# Altium PCB X-Track_lqfp.PcbDoc
Units mm, origin at the board's own origin, x right, y up, seen from the top; angles counter-clockwise.
Board outline 32.26 x 36.83 mm, 2 copper layers (Top Layer, Bottom Layer); 71 components, 50 nets, 271 pads, 69 vias.
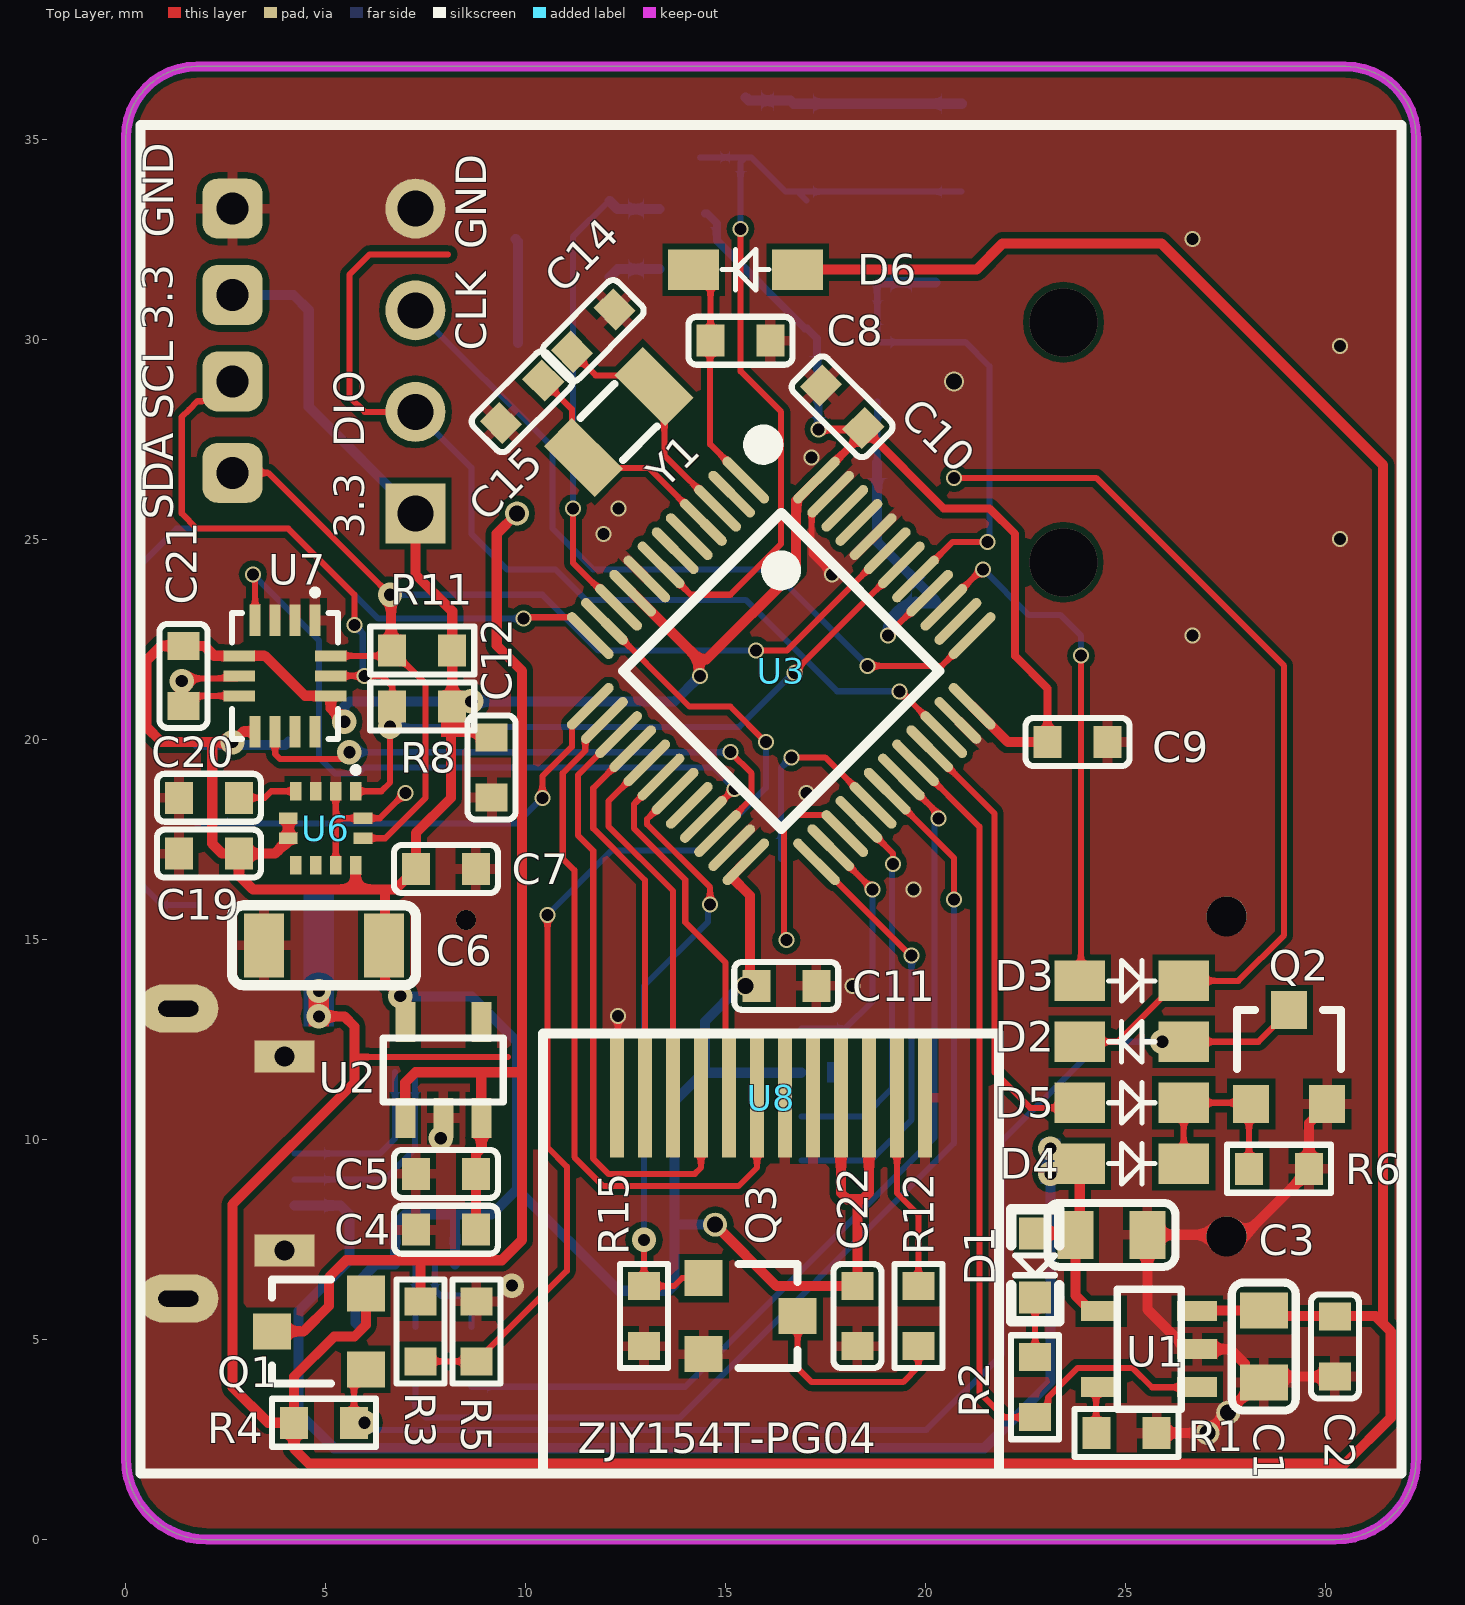
[diagram p0: Top Layer view]
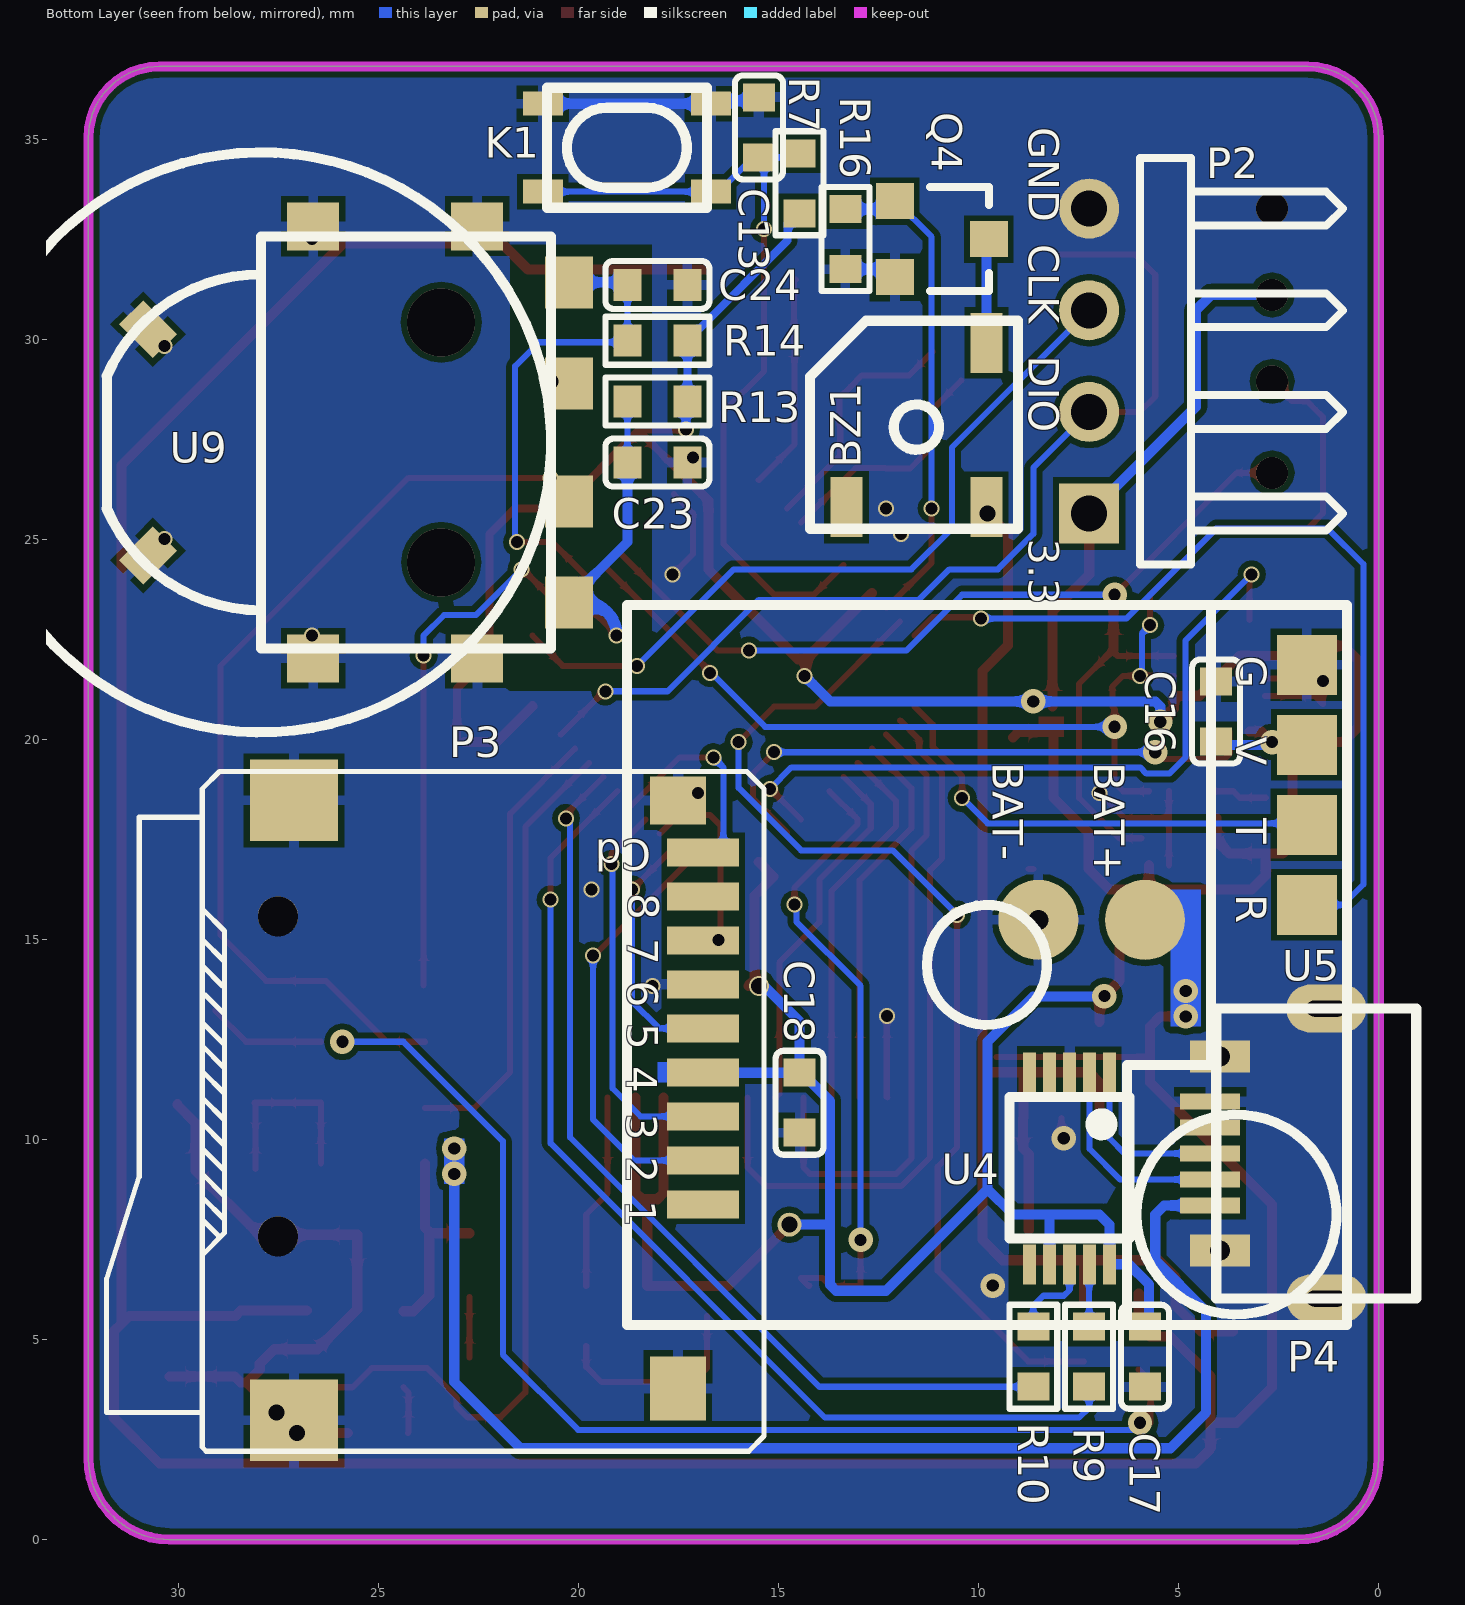
[diagram p1: Bottom Layer view, seen from below]
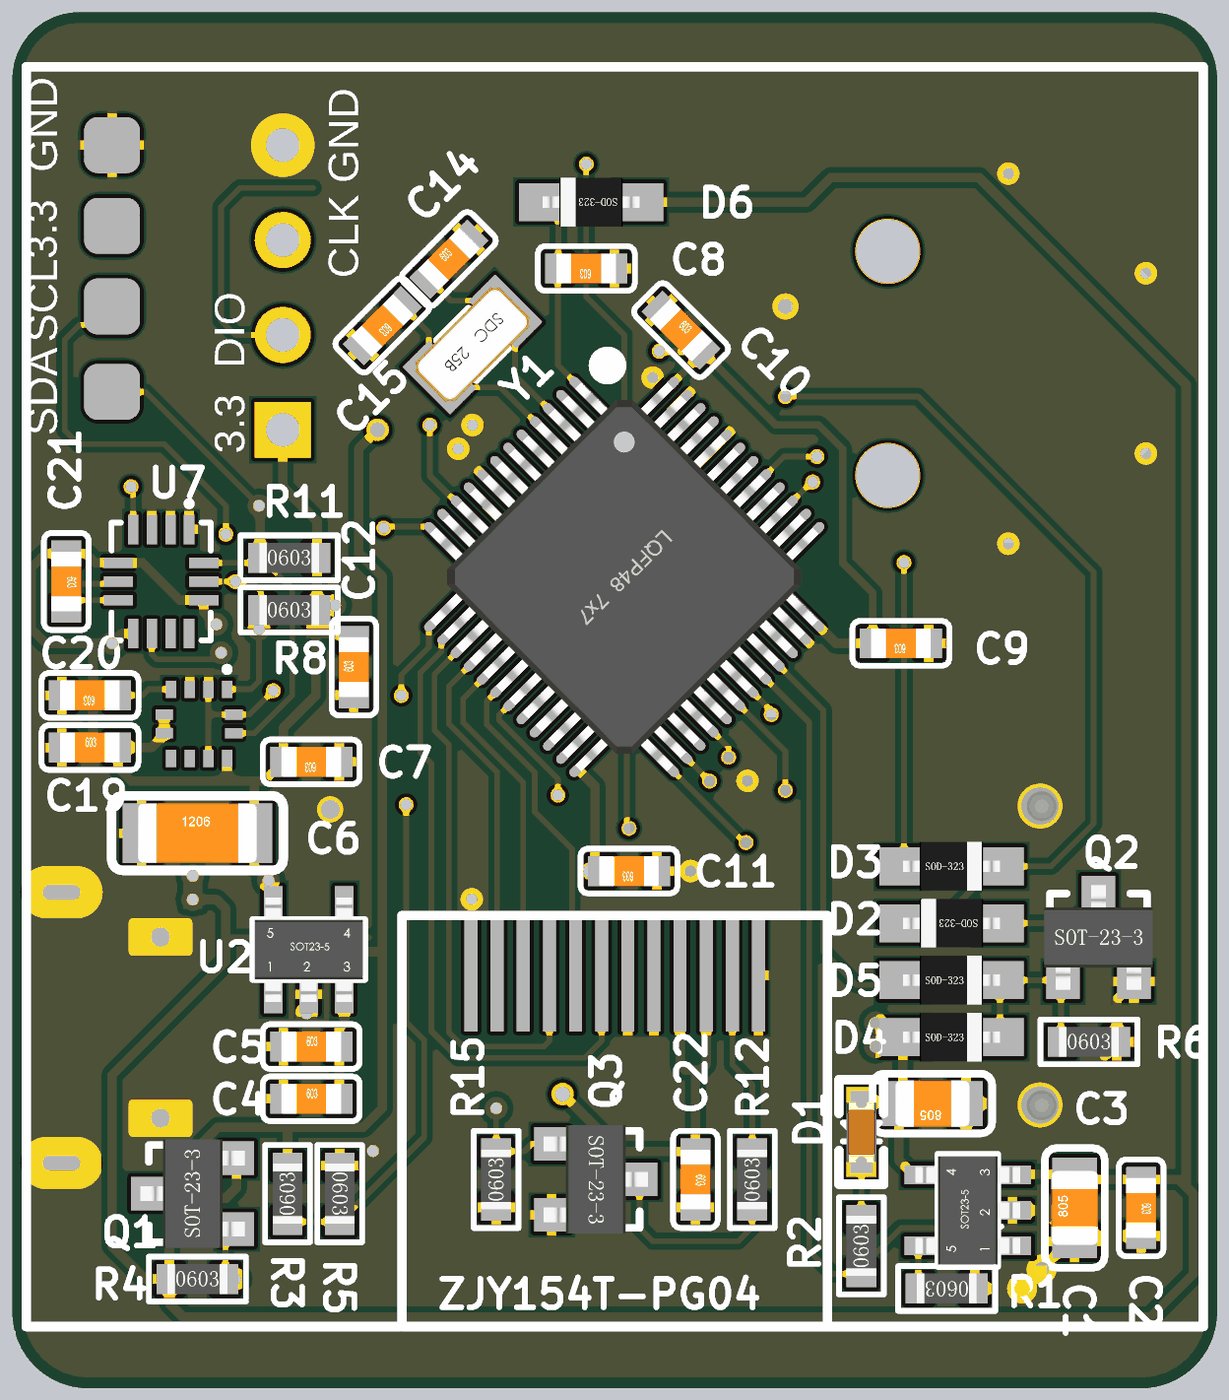
[diagram p2: 3D render of the assembled board from above, using the file's embedded part models]
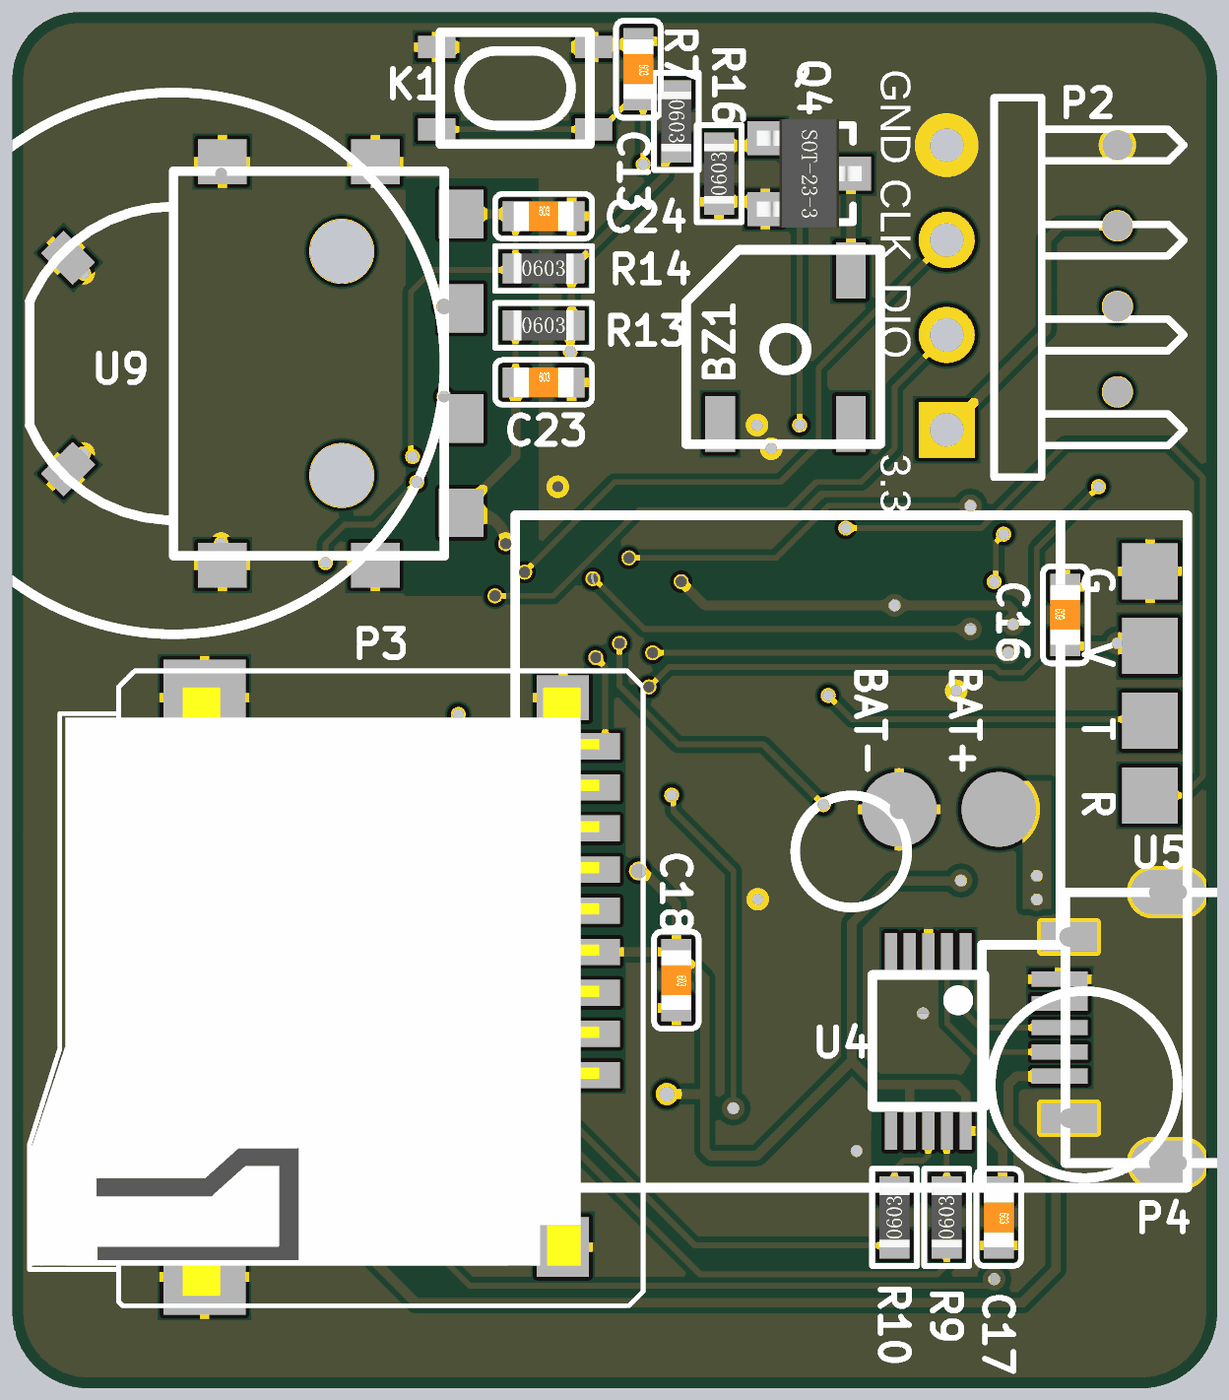
[diagram p3: 3D render of the assembled board from below, using the file's embedded part models]

## Layer stack, top to bottom
Top Solder: solder mask 0.0102, Solder Resist, Dk 3.5
Top Layer: signal copper 0.0356
Dielectric 1: dielectric 0.32, FR-4, Dk 4.8
Bottom Layer: signal copper 0.0356
Bottom Solder: solder mask 0.0102, Solder Resist, Dk 3.5

## Board outline
0,2.032 0,35.052 cw(c1.778,35.052) 1.778,36.83 30.48,36.83 cw(c30.48,35.052) 32.258,35.052 32.258,2.032 cw(c30.226,2.032) 30.226,0 2.032,0 cw(c2.032,2.032)

## Design rules (kind name [scope] priority, off if disabled: settings)
Clearance [All] p1: gap=0.152 ignorepadtopadclearanceinfootprint=FALSE except(0: Arc-Hole Track-Hole SMDPad-Hole THPad-Hole Via-Hole Fill-Hole Poly-Hole Region-Hole Text-Hole)
ComponentClearance [All] p1 off: gap=0.254 collisioncheckmode=3 verticalgap=0.254 showdistances=FALSE
HoleSize [All] p1 off: absolutevalues=TRUE maxlimit=2.54 minlimit=0.025 maxpercent=80.000 minpercent=20.000
HoleToHoleClearance [All] p1 off: gap=0.254 allowstackedmicrovias=TRUE
LayerPairs [All] p1 off: enforce=TRUE
MinimumSolderMaskSliver [All] p1 off: minsoldermaskwidth=0.254
NetAntennae [All] p1 off: netantennaetolerance=0
PlaneConnect [All] p1: pad.planeconnectstyle=Relief pad.reliefexpansion=0.508 pad.reliefentries=4 pad.reliefconductorwidth=0.254 pad.reliefairgap=0.152 via.planeconnectstyle=Direct via.reliefexpansion=0.508 via.reliefentries=4 via.reliefconductorwidth=0.254 via.reliefairgap=0.152
PolygonConnect [All] p1: thpad.connectstyle=Direct thpad.reliefconductorwidth=0.254 thpad.reliefentries=4 thpad.polygonreliefangle="90 Angle" thpad.airgapwidth=0.152 smdpad.connectstyle=Relief smdpad.reliefconductorwidth=0.254 smdpad.reliefentries=4 smdpad.polygonreliefangle="90 Angle" smdpad.airgapwidth=0.152 via.connectstyle=Direct via.reliefconductorwidth=0.254 via.reliefentries=4 via.polygonreliefangle="90 Angle" via.airgapwidth=0.152
RoutingVias [All] p1: holewidth=0.305 width=0.61 viastyle="Through Hole" minholewidth=0.305 minwidth=0.61 maxholewidth=0.305 maxwidth=0.61
SilkToSilkClearance [All] p1 off: silktosilkclearance=0.254
SilkToSolderMaskClearance [IsPad] p1 off: minsilkscreentomaskgap=0.254 clearancetoexposedcopper=TRUE
SolderMaskExpansion [All] p1: expansion=0.102 istentingtop=FALSE
Width [All] p1: maxlimit=2.54 minlimit=0.152 preferedwidth=0.152
21 further rules are at their usual default settings.

## Classes and differential pairs
component class X-Track_Power: BAT+ BAT- C1 C2 C3 C4 C5 C6 C7 D1 D2 D3 D4 D5 Q1 Q2 R1 R2 R3 R4 R5 R6 U1 U2
component class X-Track_Sheet: 3.3 BZ1 C8 C9 C10 C11 C12 C13 C14 C15 C16 C17 C18 C19 C20 C21 C22 C23 C24 D6 GND K1 P2 P3 P4 Q3 Q4 R7 R8 R9 R10 R11 R12 R13 R14 R15 R16 SCL SDA U3 U4 U5 U6 U7 U8 U9 Y1

## Components (designator, comment, footprint, x,y, rotation, side; value= is the part's Value field where it differs from the comment)
3.3 "PAD1" PAD1-SMD-C 2.667,31.115 r0 top
BAT+ "BAT_IN" Pad_B 5.842,15.494 r90 bottom
BAT- "GND" Pad_B 8.509,15.494 r90 bottom
BZ1 "Buzzer" 蜂鸣器_SMD5020 11.557,27.813 r90 bottom
C1 "4.7UF" 电容_C0805 28.448,4.826 r90 top
C2 "104" 电容_C0603 30.226,4.826 r270 top
C3 "4.7UF" 电容_C0805 24.638,7.62 r180 top
C4 "104" 电容_C0603 8.001,7.747 r0 top
C5 "106" 电容_C0603 8.001,9.144 r0 top
C6 "22uF" 电容_C1206 4.953,14.859 r0 top
C7 "104" 电容_C0603 8.001,16.764 r180 top
C8 "104" 电容_C0603 15.367,29.972 r180 top
C9 "105" 电容_C0603 23.793,19.939 r180 top
C10 "105" 电容_C0603 17.907,28.321 r315 top
C11 "105" 电容_C0603 16.51,13.843 r180 top
C12 "105" 电容_C0603 9.144,19.304 r90 top
C13 "104" 电容_C0603 15.494,35.306 r270 bottom
C14 "22pf" 电容_C0603 11.684,30.226 r45 top
C15 "22pf" 电容_C0603 9.906,28.448 r225 top
C16 "105" 电容_C0603 4.064,20.701 r90 bottom
C17 "105" 电容_C0603 5.842,4.572 r270 bottom
C18 "104" 电容_C0603 14.478,10.922 r270 bottom
C19 "104" 电容_C0603 2.076,17.149 r0 top
C20 "104" 电容_C0603 2.076,18.546 r180 top
C21 "104" 电容_C0603 1.441,21.594 r270 top
C22 "104" 电容_C0603 18.288,5.588 r270 top
C23 "104" 电容_C0603 18.034,26.924 r180 bottom
C24 "104" 电容_C0603 18.034,31.369 r180 bottom
D1 "red" LED_0603 22.733,6.858 r270 top
D2 "1N4148" 二极管_SOD-323 25.146,12.446 r180 top
D3 "1N4148" 二极管_SOD-323 25.146,13.97 r0 top
D4 "1N4148" 二极管_SOD-323 25.146,9.398 r0 top
D5 "1N4148" 二极管_SOD-323 25.146,10.922 r0 top
D6 "1N4007" 二极管_SOD-323 15.494,31.75 r180 top
GND "PAD1" PAD1-SMD-C 2.667,33.274 r0 top
K1 "SKRP" 开关按键_SKRP 18.796,34.798 r0 bottom
P2 "Header 4" HDR1X4H 7.239,25.654 r90 bottom
P3 "Micro_SD" 接插件_Micro_SD 16.891,8.382 r270 bottom locked
P4 "MICRO USB" "接插件_MICRO 牛角插座 USB 直边" 4.064,9.652 r270 bottom
Q1 "AO3401" MOS_SOT-23 4.826,5.207 r90 top
Q2 "AON3400" MOS_SOT-23 29.083,12.065 r0 top
Q3 "AO3400" MOS_SOT-23 15.621,5.588 r270 top
Q4 "AO3400" MOS_SOT-23 10.922,32.512 r270 bottom
R1 "2K" 电阻_R0603 25.019,2.667 r180 top
R2 "1K" 电阻_R0603 22.733,3.81 r90 top
R3 "20K" 电阻_R0603 7.366,5.207 r90 top
R4 "20K" 电阻_R0603 4.953,2.921 r0 top
R5 "20K" 电阻_R0603 8.763,5.207 r270 top
R6 "20K" 电阻_R0603 28.829,9.271 r0 top
R7 "10K" 电阻_R0603 14.478,33.909 r270 bottom
R8 "10K" 电阻_R0603 7.41,20.832 r0 top
R9 "100R" 电阻_R0603 7.239,4.572 r90 bottom
R10 "100R" 电阻_R0603 8.636,4.572 r90 bottom
R11 "10K" 电阻_R0603 7.41,22.229 r0 top
R12 "10R" 电阻_R0603 19.812,5.588 r90 top
R13 "10K" 电阻_R0603 18.034,28.448 r180 bottom
R14 "10K" 电阻_R0603 18.034,29.972 r180 bottom
R15 "10K" 电阻_R0603 12.954,5.588 r90 top
R16 "10K" 电阻_R0603 13.335,32.512 r90 bottom
SCL "PAD1" PAD1-SMD-C 2.667,28.956 r0 top
SDA "PAD1" PAD1-SMD-C 2.667,26.67 r0 top
U1 "MCP73831" SOT23-5 26.784,3.81 r90 top
U2 "LP5907-3.3" SOT23-5 6.985,10.541 r0 top
U3 "AT32F403ACGU7" "LQFP48 7X7_L" 16.383,21.717 r225 top
U4 "CH340E" 串口_MSOP10 6.731,11.684 r0 bottom
U5 "HT1818Z3G5L" GPS-HTZN 18.796,23.368 r270 bottom
U6 "LIS3MDL" LGA-12_L2.0-W2.0-P0.50-BL 4.997,17.784 r180 top
U7 "LSM6DSM" LGA-14_L3.0-W2.5-P0.50-BL 3.981,21.594 r180 top
U8 "IPS154-12" "ZJY154T-PG04 FPC 0.7MM" 16.129,11.049 r270 top locked
U9 "Rotary Encoder" SIQ-02FVS3 27.94,27.432 r90 bottom locked
Y1 "32.768K" 晶振_3215 12.319,27.94 r225 top

## Footprints (in the part's own frame and the unit in brackets; to place one, negate y for a bottom-side part, rotate by r counter-clockwise, add the part's x,y. Pads: shape width x height; smd on the part's side, far side on the other; paste and mask are expansions set on the pad)
GPS-HTZN [mm]
  rect 1.5x1.5 smd: 1(1.5,17) 2(3.5,17) 3(5.5,17) 4(7.5,17)
  silkscreen extent 0,0 18,18
HDR1X4H [mm] "Connector; Header; 4 Position; Right Angle"
  rect 1.5x1.5 hole 0.9: 1(0,0)
  round 1.5 hole 0.9: 2(2.54,0) 3(5.08,0) 4(7.62,0)
  silkscreen extent -1.27,-6.35 8.89,-1.27
LED_0603 [mm]
  rect 0.8x0.8 smd paste-0.1: A(-0.8,0) K(0.8,0)
  silkscreen extent -1.4,-0.6 1.4,0.6, body extent -0.8,-0.4 0.82,0.4, height 0.6
LGA-12_L2.0-W2.0-P0.50-BL [mm]
  rect 0.28x0.465 smd: 1(-0.75,-0.925) 2(-0.25,-0.925) 3(0.25,-0.925) 4(0.75,-0.925) 7(0.75,0.925) 8(0.25,0.925) 9(-0.25,0.925) 10(-0.75,0.925)
  rect 0.465x0.28 smd: 5(0.933,-0.25) 6(0.933,0.25) 11(-0.933,0.25) 12(-0.933,-0.25)
  silkscreen extent -0.82,-1.53 -0.68,-1.38
LGA-14_L3.0-W2.5-P0.50-BL [mm]
  rect 0.28x0.785 smd: 1(-0.75,-1.393) 2(-0.25,-1.393) 3(0.25,-1.393) 4(0.75,-1.393) 8(0.75,1.393) 9(0.25,1.393) 10(-0.25,1.393) 11(-0.75,1.393)
  rect 0.785x0.28 smd: 5(1.142,-0.5) 6(1.142,0) 7(1.142,0.5) 12(-1.142,0.5) 13(-1.142,0) 14(-1.142,-0.5)
  silkscreen extent -1.33,-2.16 1.33,1.58
"LQFP48 7X7_L" [mm] "48脚，体宽7x7mm，脚距0.5mm"
  oval 0.25x1.55 smd: 1(-2.75,-4) 2(-2.25,-4) 3(-1.75,-4) 4(-1.25,-4) 5(-0.75,-4) 6(-0.25,-4) 7(0.25,-4) 8(0.75,-4) 9(1.25,-4) 10(1.75,-4) 11(2.25,-4) 12(2.75,-4) 25(2.75,4) 26(2.25,4) 27(1.75,4) 28(1.25,4) 29(0.75,4) 30(0.25,4) 31(-0.25,4) 32(-0.75,4) 33(-1.25,4) 34(-1.75,4) 35(-2.25,4) 36(-2.75,4)
  oval 1.55x0.25 smd: 13(4,-2.75) 14(4,-2.25) 15(4,-1.75) 16(4,-1.25) 17(4,-0.75) 18(4,-0.25) 19(4,0.25) 20(4,0.75) 21(4,1.25) 22(4,1.75) 23(4,2.25) 24(4,2.75) 37(-4,2.75) 38(-4,2.25) 39(-4,1.75) 40(-4,1.25) 41(-4,0.75) 42(-4,0.25) 43(-4,-0.25) 44(-4,-0.75) 45(-4,-1.25) 46(-4,-1.75) 47(-4,-2.25) 48(-4,-2.75)
  silkscreen extent -3.93,-4.57 2.79,2.79, body extent -4.5,-4.5 4.5,4.5, height 1.45
MOS_SOT-23 [mm]
  rect 0.9x0.95 smd: 1(-0.95,-1.175) 2(0,1.175) 3(0.95,-1.175)
  silkscreen extent -1.3,-0.3 1.3,1.18, body extent -1.45,-1.4 1.45,1.4, height 1.2
PAD1-SMD-C [mm] "引线焊盘"
  rrect50% 1.5x1.5 smd: 1(0,0)
Pad_B [mm]
  round 2 smd: 1(0,0)
SIQ-02FVS3 [mm]
  rect 1.3x1.2 smd: 1(-4,-7.7) 2(-1.475,-7.7) 3(1.475,-7.7) 4(4,-7.7)
  rect 1.2x1.3 smd: 5(-5.4,-5.4) 5(-5.4,-1.3) 5(5.4,-5.4) 5(5.4,-1.3)
  rect 0.85x1.2 smd rot 45: 5(-2.828,2.828)
  rect 0.85x1.2 smd rot 135: 5(2.828,2.828)
  silkscreen extent -7.25,-7.25 7.25,7.25
SOT23-5 [mm]
  rect 0.5x1 smd: 1(0,0) 2(0.95,0) 3(1.9,0) 4(1.9,2.4) 5(0,2.4)
  silkscreen extent -0.55,0.4 2.45,2, body extent -0.5,-0.2 2.4,2.6, height 1.09
"ZJY154T-PG04 FPC 0.7MM" [mm]
  rect 3x0.35 smd: 1(0,3.85) 2(0,3.15) 3(0,2.45) 4(0,1.75) 5(0,1.05) 6(0,0.35) 7(0,-0.35) 8(0,-1.05) 9(0,-1.75) 10(0,-2.45) 11(0,-3.15) 12(0,-3.85)
  silkscreen extent -24.32,-15.76 9.4,15.76
串口_MSOP10 [mm]
  rect 0.32x1 smd: 1(0,0) 2(0.5,0) 3(1,0) 4(1.5,0) 5(2,0) 6(2,4.8) 7(1.5,4.8) 8(1,4.8) 9(0.5,4.8) 10(0,4.8)
  silkscreen extent -0.5,0.62 2.5,4.15
二极管_SOD-323 [mm]
  rect 1.27x1.016 smd: A(-1.3,0) K(1.3,0)
  silkscreen extent -0.58,-0.51 0.58,0.51, body extent -1.3,-0.65 1.3,0.65, height 1
开关按键_SKRP [mm]
  rect 1x0.6 smd: 1(-2.1,-1.1) 1(2.1,-1.1) 2(-2.1,1.1) 2(2.1,1.1)
  silkscreen extent -2,-1.5 2,1.5
"接插件_MICRO 牛角插座 USB 直边" [mm]
  oval 1.2x2 hole 0.4 slot 1 at 90 deg: 0(-3.625,2.75) 0(3.625,2.75)
  rect 0.8x1.5 hole 0.5: 0(-2.425,0.1) 0(2.425,0.1)
  rect 0.4x1.5 smd: 1(1.3,-0.15) 2(0.65,-0.15) 3(0,-0.15) 4(-0.65,-0.15) 5(-1.3,-0.15)
  silkscreen extent -3.62,0 3.62,5
接插件_Micro_SD [mm]
  rect 2.032x2.2 smd: 0(-10.1,-10.227) 0(5.4,-10.227)
  rect 1.2x1.4 smd: 0(-10.1,-0.627)
  round 1 hole 1 unplated: 0(-7.2,-10.627) 0(0.8,-10.627)
  rect 1.6x1.4 smd: 0(4.6,-0.627)
  rect 0.7x1.8 smd: 1(0,0) 2(-1.1,0) 3(-2.2,0) 4(-3.3,0) 5(-4.4,0) 6(-5.5,0) 7(-6.6,0) 8(-7.7,0) 9(-8.8,0)
  silkscreen extent -10.82,-14.91 6.17,1.52, body extent -10.37,-14.85 5.9,0.34, height 1.8
晶振_3215 [mm] "XTAL SMD 3.2 x 1.5 mm"
  rect 1x1.8 smd: 1(-1.25,0) 2(1.25,0)
  silkscreen extent -0.6,-0.75 0.6,0.75, body extent -1.6,-0.75 1.6,0.75, height 0.81
电容_C0603 [mm]
  rect 0.7x0.8 smd: 1(-0.75,0) 2(0.75,0)
  silkscreen extent -1.3,-0.6 1.3,0.6, body extent -0.8,-0.4 0.8,0.4, height 0.3
电容_C0805 [mm]
  rect 0.9x1.2 smd: 1(-0.9,0) 2(0.9,0)
  silkscreen extent -1.6,-0.8 1.6,0.8, body extent -1,-0.62 1,0.63, height 0.77
电容_C1206 [mm]
  rect 1x1.6 smd: 1(-1.5,0) 2(1.5,0)
  silkscreen extent -2.3,-1 2.3,1, body extent -1.6,-0.8 1.6,0.8, height 1
电阻_R0603 [mm]
  rect 0.7x0.8 smd: 1(-0.75,0) 2(0.75,0)
  silkscreen extent -1.3,-0.6 1.3,0.6, body extent -0.8,-0.4 0.8,0.4, height 0.45
蜂鸣器_SMD5020 [mm]
  rect 1.5x0.8 smd: 0(-2,1.75) 1(-2,-1.75) 2(2.108,-1.753)
  silkscreen extent -2.54,-2.54 2.66,2.66

## Part data
3.3 GND SCL SDA: "引线焊盘", BOM名称=引线焊盘, 学习资源=www.ooocke.com, 版权归属=源创客
BAT+ BAT-: library part Pad, _Comma=,, _Funcyusa=Test, _Name=Pad
  BAT+: _Remarks=BAT_IN, _Specification=Pad,Test,BAT_IN
  BAT-: _Remarks=GND, _Specification=Pad,Test,GND
BZ1: library part BZ, _Comma=,, _Footprint=12*9.5mm,SOT塑封管, _Model=12V, _Name=Buzzer, _Specification=Buzzer,12V,12*9.5mm,SOT塑封管
C1 C2 C3 C4 C5 C6 C7 C8 C9 C10 C11 C12 C13 C14 C15 C16 C17 C18 C19 C20 C21 C22 C23 C24: library part cap, U=50V, 参数=Cap,0805,X7R,104K,50V,125C,±10%
  C1 C3: C=4.7UF
  C2 C4 C7 C8 C13 C18 C19 C20 C21 C22 C23 C24: C=104
  C5: C=106
  C6: C=22uF
  C9 C10 C11 C12 C16 C17: C=105
  C14 C15: C=22pf
D1: library part LED, 参数=LED,0603,Red
D2 D3 D4 D5 D6: library part Diode, _Current=1A, _Voltage=40V, _Comma=,, _Footprint=SOD-323, _Name=Diode
  D2 D3 D4 D5: _Model=1N4148, _Specification=Diode,1N4148,SOD-323,1A,40V
  D6: _Model=1N4007, _Specification=Diode,1N4007,SOD-323,1A,40V
K1: library part SW-PB, _Comma=,, _Model=SKRP, _Name=KEY, _Specification=KEY,SKRP,*
P2: "Header, 4-Pin", LatestRevisionDate=17-Jul-2002, LatestRevisionNote="Re-released for DXP Platform.", Publisher="Altium Limited"
P3: _Value=TF,9PIN, _Comma=,, _Model=Micro_SD, _Name=Port, _Specification=Port,Micro_SD,TF,9PIN
P4: library part "MICRO USB 5PIN", _Value=5PIN, _Comma=,, _Model="MICRO USB", _Name=Port, _Specification="Port,MICRO USB,5PIN"
Q1: library part MOSFET-P, _Current=40A, _Voltage=20V, _Comma=,, _Footprint=DFN3.3*3.3, _Model=AO3401, _Name=P-MOSFET, _Specification=P-MOSFET,AO3401,DFN3.3*3.3,40A,20V
Q2 Q3 Q4: library part MOSFET-N, _Current=150A, _Voltage=30V, _Comma=,, _Footprint=DFN5*6, _Name=N-MOSFET
  Q2: _Model=AON3400, _Specification=N-MOSFET,AON3400,DFN5*6,150A,30V
  Q3 Q4: _Model=AO3400, _Specification=N-MOSFET,AO3400,DFN5*6,150A,30V
R1 R2 R3 R4 R5 R6 R7 R9 R10 R15 R16: library part Res, P=1/8W, 参数=Res,0805,0R,±1%,1/8W,100ppm,155C
  R1: R=2K
  R2: R=1K
  R3 R4 R5 R6: R=20K
  R7 R15 R16: R=10K
  R9 R10: R=100R
R8 R11 R12 R13 R14: library part Res, _Power=1/8W, _Accuracy=1%, _Comma=,, _Drift=100ppm, _Footprint=0805, _Name=Res
  R8 R11 R13 R14: _Specification=Res,0805,10K,1%,1/8W,100ppm, _Value=10K
  R12: _Specification=Res,0805,10R,1%,1/8W,100ppm, _Value=10R
U1: "线性充电管理控制器"
U2: library part LP5907, "LDO"
U3: library part AT32F403CGU6, _Comma=,, _Footprint=QFN48, _Model=AT32F403ACGU7, _Name=MCU, _Specification=MCU,AT32F403ACGU7,QFN48
U6: library part LIS3DMDL
Y1: library part XTAL_A, _Accuracy=10ppm, _CL=12pF, _Comma=,, _Frequency=32.768K, _Name=CRYSTALS, _Specification=CRYSTALS,32.768K,*,10ppm,12pF
U4: _Comma=,, _Footprint=MSOP10, _Model=CH340E, _Name=USB-UART, _Specification=USB-UART,CH340E,MSOP10

## Free pads (board coordinates)
  round 0.6 hole 0.4: 2(9.779,25.654) 3(27.039,2.667) 4(27.559,3.175) 5(14.732,7.874)

## Via types
v1: diameter 0.4, hole 0.3, Top Layer to Bottom Layer, 43 vias
v2: diameter 0.61, hole 0.305, Top Layer to Bottom Layer, tented both sides, 17 vias
v3: diameter 0.8, hole 0.8, Top Layer to Bottom Layer, 4 vias
v4: diameter 0.5, hole 0.4, Top Layer to Bottom Layer, 2 vias
v5: diameter 1.7, hole 1.7, Top Layer to Bottom Layer, 2 vias
v6: diameter 0.5, hole 0.5, Top Layer to Bottom Layer, 1 vias

## Nets (pads, with @x,y where several pads share a name; then routed paths per layer and width w, separated by ;. In a path a pad name is that pad's centre, name@x,y a point inside that pad or via, vN(x,y) a via of type N, cw(c..) or ccw(c..) an arc to the next point about the centre after c; other vN are vias at no path point)
3V3: 3.3.1 C6.2 C7.2 C9.2 C10.2 C11.2 C12.2 C16.1 C17.1 C18.1 C19.2 C21.1 C22.1 P2.1 P3.4 pad.5 R7.2 R8.2 R11.2 R13.2 R14.2 U2.5 U3.9 U3.24 U3.36 U3.48 U4.7 U4.10 U5.2 U6.5 U6.6 U6.10 U7.5 U7.8 U7.12 U8.3 U8.4 | length 136.2
  Top Layer w0.2: U3.48 C10.2@18.437,27.66 ; v1(17.32,27.755) 18.402,27.755 C10.2 18.502,27.726 20.447,25.781 21.59,25.781 22.233,25.138 22.233,22.09 23.043,21.28 C9.2
  Top Layer w0.254: U7.8 2.929,20.201 v2(2.667,19.939) 2.159,19.939 ; U6.5 4.064,17.486 3.727,17.149 C19.2 ; v2(5.461,20.447) 5.123,20.785 U7.12 4.481,21.094 3.481,22.094 U7.5 2.211,22.094 1.961,22.344 C21.1 0.881,22.344 0.508,21.971 0.508,20.32 0.889,19.939 2.159,19.939 ; U6.10 5.747,16.256 ; U2.5 6.985,13.462 6.477,13.97 6.477,16.256 ; P2.1 7.239,24.13 8.16,23.209 R11.2 R8.2 ; C12.2 9.005,20.193 8.128,20.193 8.128,18.542 7.251,17.665 C7.2 6.743,16.256 6.477,16.256 ; U3.9 14.323,22.009 ; v1(14.351,21.59) 14.323,21.618 14.323,22.009 ; pad.5 16.268,6.338 C22.1 18.288,8.509 ; U3.24 15.131,16.576 15.131,16.573 15.602,16.102 15.602,14.001 C11.2 ; U3.48 16.756,25.979 16.756,24.249 14.516,22.009 14.323,22.009 ; U8.4 17.879,8.664 18.034,8.509 18.415,8.509 18.579,8.673 U8.3 ; U3.36 22.05,19.939 C9.2@22.872,19.939 ; 2.159,19.939 2.159,17.399 2.409,17.149 C19.2 ; C19.2 2.826,16.605 3.175,16.256 5.747,16.256 ; 5.747,16.256 6.477,16.256
  Bottom Layer w0.2: R7.2 14.528,33.159 14.778,32.909 14.778,32.478 16.984,30.272 17.034,30.272 17.284,30.022 R14.2 R13.2 17.32,28.412 v1(17.32,27.755)
  Bottom Layer w0.254: U5.2 C16.1@3.981,19.868 ; v3(2.667,31.115) 4.191,31.115 4.572,30.734 4.572,28.321 P2.1 ; C16.1 C16.1@3.981,19.868 ; v2(5.461,20.447) 5.461,20.828 5.588,20.955 v2(8.636,20.955) 13.716,20.955 v1(14.351,21.59) ; C17.1 5.741,5.423 5.741,6.376 6.249,6.884 U4.10 6.731,7.874 6.985,8.128 8.231,8.128 ; v2(6.858,13.589) 6.867,13.58 8.645,13.58 9.779,12.446 9.779,8.763 ; U4.7 8.231,8.128 ; pad.5 13.716,7.874 ; v4@15.621,13.843 15.367,13.843 14.478,12.954 C18.1 ; P3.4 16.881,11.672 C18.1 ; C16.1@3.981,19.868 2.667,19.868 C16.1@3.981,19.868 ; 8.231,8.128 9.144,8.128 9.779,8.763 ; 9.779,8.763 12.319,6.223 13.567,6.223 13.716,6.372 13.716,7.874 ; 13.716,7.874 13.716,10.96 14.428,11.672 C18.1
  other v4: 15.494,13.843
BAT: BZ1.1 C4.2 C5.2 pad.2 Q1.2 R3.2 U2.1 U2.3 | length 35.2
  Top Layer w0.254: Q1.2 4.445,5.207 5.08,5.842 5.08,6.556 5.509,6.985 7.366,6.985 ; U2.1 6.985,11.43 7.239,11.684 9.906,11.684 ; R3.2 7.366,6.985 ; C4.2 C5.2 8.751,9.64 8.89,9.779 8.89,10.536 U2.3 8.885,11.679 ; pad.2 9.271,25.146 9.271,22.352 9.906,21.717 9.906,11.684 ; 7.366,6.985 9.398,6.985 9.906,7.493 9.906,11.684
BAT_CHG_DET: R2.1 U1.1 U3.32 | length 22.9
  Top Layer w0.152: U3.32 21.336,17.825 21.336,3.683 21.959,3.06 R2.1 22.783,3.06 23.057,3.334 23.057,3.556 23.505,4.005 23.789,4.289 25.175,4.289 25.654,3.81 U1.1
BAT_DET: R3.1 R5.2 U3.11 | length 26.9
  Top Layer w0.152: R3.1 R5.2 11.024,6.718 11.024,9.323 10.541,9.806 v1(10.541,15.621) ; U3.11 14.09,20.828 15.113,20.828 v1(16.002,19.939)
  Bottom Layer w0.152: v1(10.541,15.621) 12.152,17.232 14.438,17.232 16.002,18.796 v1(16.002,19.939)
BAT_IN: BAT+.1 C1.2 C2.1 D6.A Q1.3 R4.1 U1.3 | length 95.9
  Top Layer w0.152: 5.715,12.065 9.55,12.065
  Top Layer w0.254: v2(4.826,13.081) 5.461,13.081 5.715,12.827 5.715,12.065 5.715,11.43 2.667,8.382 2.667,3.81 3.556,2.921 R4.1 ; Q1.3 6.001,5.366 5.715,5.08 5.207,5.08 4.203,4.076 R4.1 ; D6.A 21.266,31.75 21.923,32.407 25.886,32.407 31.432,26.86 31.432,5.397 ; U1.3@26.797,5.726 C1.2 28.586,5.588 30.226,5.588 31.242,5.588 31.432,5.397 ; R4.1 4.203,2.274 4.572,1.905 30.48,1.905 31.623,3.048 31.623,5.207 31.432,5.397
  other v2: 4.826,13.716
BUZZ: Q4.1 R16.2 U3.10 | length 12.4
  Top Layer w0.152: v1(11.176,25.781) 11.176,24.423 12.291,23.308 U3.10
  Bottom Layer w0.152: v1(11.176,25.781) 11.176,32.566 12.072,33.462 Q4.1
  Bottom Layer w0.254: Q4.1 12.297,33.262 R16.2
EC_A: C23.1 R13.1 U3.40 U9.1 | length 8.8
  Top Layer w0.152: v1(19.05,22.606) 19.05,22.616 U3.40
  Bottom Layer w0.152: C23.1 R13.1
  Bottom Layer w0.25: C23.1 18.784,24.938 20.24,23.482 U9.1
  Bottom Layer w0.3: v1(19.05,22.606) cw(c19.876,22.606) 19.876,23.432 U9.1
EC_B: C24.1 R14.1 U3.41 U9.4 | length 12.4
  Top Layer w0.152: U3.41 20.663,24.937 v1(21.545,24.937)
  Bottom Layer w0.152: R14.1 C24.1 ; R14.1@18.885,29.934 20.993,29.934 21.59,29.337 21.59,24.981 v1(21.545,24.937)
  Bottom Layer w0.25: C24.1 18.847,31.432 U9.4
EC_KEY: D2.K D3.K U9.2 | length 23.1
  Top Layer w0.152: v1(20.701,26.543) 24.257,26.543 28.956,21.844 28.956,15.113 27.813,13.97 D3.K 26.319,13.97 24.795,12.446 D2.K
EC_KEY_DET: D3.A U3.39 | length 13.3
  Top Layer w0.152: U3.39 21.398,24.257 v1(21.43,24.257) v1@21.463,24.257 ; D3.A@23.876,13.852 v1(23.876,22.098)
  Bottom Layer w0.152: v1(21.43,24.257) 22.573,23.114 23.368,23.114 23.876,22.606 v1(23.876,22.098)
GND: BAT-.1 C1.1 C2.2 C3.1 C4.1 C5.1 C6.1 C7.1 C8.1 C9.1 C10.1 C11.1 C12.1 C13.1 C14.2 C15.2 C16.2 C17.2 C18.2 C19.1 C20.2 C21.2 C22.2 C23.2 C24.2 GND.1 K1.1 P2.4 P3.0 P3.6 P4.0 P4.5 pad.3 pad.4 Q2.3 Q3.3 Q4.3 R1.1 R5.1 R6.2 R15.1 R16.1 U1.2 U2.2 U3.8 U3.23 U3.35 U3.44 U3.47 U4.3 U5.1 U6.2 U6.3 U6.9 U6.12 U7.1 U7.2 U7.3 U7.6 U7.7 U8.1 U8.5 U8.6 U8.12 U9.3 U9.5 | length 36.4
  Top Layer w0.152: U7.7 1.603,21.094 1.397,20.887 v2(1.397,21.463) 1.464,21.53 2.774,21.53 U7.6 ; U6.9 5.247,18.034 ; U6.2 5.247,18.034 ; v1(6.985,18.669) 6.35,18.034 U6.12 5.247,18.034 ; v2(7.874,10.033) 7.935,10.094 U2.2 ; C7.1@8.636,16.764 C7.1 ; U8.12 12.299,11.069 v1(12.299,13.086) ; U3.47 17.145,25.661 17.145,24.638 v1(17.653,24.13)
  Top Layer w0.254: R1.1 pad.3 27.553,3.181 C1.1@28.298,3.926 ; Q2.3 30.033,10.865 29.579,10.411 R6.2 29.579,9.221 27.978,7.62 27.518,7.62 C3.1 25.538,5.756 26.534,4.76 U1.2 27.614,4.76 27.975,4.399 27.975,4.249 C1.1@28.298,3.926 ; C2.2 28.598,4.076 C1.1 C1.1@28.298,3.926
  Bottom Layer w0.254: Q4.3 12.297,31.762 R16.1 ; C13.1 15.573,35.977 16.617,35.977 16.696,35.898 K1.1@20.896,35.898
  other v1: 18.161,13.843 19.685,16.256 17.018,18.669 26.67,22.606 30.353,25.019 11.938,25.146 12.319,25.781 17.145,27.051 30.353,29.845 26.67,32.512
  other v2: 9.652,6.35
  other v3: 2.667,33.274
  other v4: 20.701,28.956
  other v6: 8.509,15.494
GPS_RX: U3.12 U5.4 | length 22.4
  Top Layer w0.152: v1(9.943,23.024) 9.979,23.06 11.151,23.06 U3.12
  Bottom Layer w0.152: U5.4 0.896,15.868 0.381,16.383 0.381,24.384 1.27,25.273 4.064,25.273 6.313,23.024 v1(9.943,23.024)
GPS_TX: U3.13 U5.3 | length 11.7
  Top Layer w0.152: v1(10.414,18.542) 10.414,19.085 11.151,19.822 11.151,20.374 U3.13
  Bottom Layer w0.152: U5.3 1.835,17.907 9.779,17.907 v1(10.414,18.542)
IMU_INT1: U3.21 U7.4 | length 18.4
  Top Layer w0.152: v1(3.175,24.13) 3.23,24.075 U7.4 ; U3.21 14.444,18.005 15.21,18.771 v1(15.215,18.771)
  Bottom Layer w0.152: v1(3.175,24.13) 4.826,22.479 4.826,19.558 5.232,19.152 5.809,19.152 5.961,19.304 14.682,19.304 v1(15.215,18.771)
IMU_INT2: U3.22 U7.9 | length 14.7
  Top Layer w0.152: U7.9 3.73,19.638 3.857,19.511 5.414,19.511 v2(5.588,19.685) ; U3.22 14.792,17.678 15.644,18.529 15.644,19.154 v1(15.113,19.685)
  Bottom Layer w0.152: v2(5.588,19.685) v1(15.113,19.685)
MCU_RX: R10.1 U3.31 | length 23.6
  Top Layer w0.152: U3.31 20.273,18.181 20.273,18.081 v1(20.32,18.034)
  Bottom Layer w0.152: R10.1 13.982,3.822 20.218,10.058 20.218,17.932 v1(20.32,18.034)
MCU_SCL: R8.1 SCL.1 U3.42 U6.1 U7.13 | length 30.8
  Top Layer w0.152: v3(2.667,28.956) 2.178,28.467 1.911,28.467 1.904,28.46 1.79,28.46 1.581,28.251 1.397,28.067 1.397,25.654 1.778,25.273 4.064,25.273 5.715,23.622 v1(5.715,22.86) ; U7.13 6.394,21.594 6.66,21.328 R8.1 6.604,20.776 v2(6.604,20.32) 6.604,18.923 6.39,18.709 U6.1 ; v1(16.715,21.668) 16.715,21.695 U3.42
  Bottom Layer w0.152: v1(5.715,22.86) 5.922,22.653 5.922,21.637 v1(5.969,21.59) ; v2(6.604,20.32) 15.34,20.32 16.687,21.668 v1(16.715,21.668)
MCU_SDA: R11.1 SDA.1 U3.43 U6.11 U7.14 | length 28.3
  Top Layer w0.152: v3(2.667,26.67) 3.556,26.67 v2(6.604,23.622) ; U7.14 6.525,22.094 R11.1 7.493,21.395 7.493,18.542 6.485,17.534 U6.11 ; v1(15.748,22.225) 16.524,22.225 19.021,24.722 U3.43
  Top Layer w0.254: v2(6.604,23.622) 6.632,23.594 6.632,22.257 R11.1
  Bottom Layer w0.152: v2(6.604,23.622) 10.414,23.622 11.811,22.225 v1(15.748,22.225)
MCU_TX: R9.1 U3.30 | length 26.4
  Top Layer w0.152: U3.30 20.701,17.045 v1(20.701,16.002)
  Bottom Layer w0.152: R9.1 7.239,3.302 7.493,3.048 13.843,3.048 20.701,9.906 v1(20.701,16.002)
NetBZ1_2: BZ1.2 Q4.2 | length 2.6
  Bottom Layer w0.254: Q4.2 9.804,32.455 BZ1.2
NetC20_1: C20.1 U6.4 | length 1.5
  Top Layer w0.152: C20.1 3.473,18.546 3.636,18.709 U6.4
NetD1_K: D1.K R2.2 | length 1.5
  Top Layer w0.152: R2.2 D1.K
NetD2_A: D2.A Q1.1 Q2.2 R4.2 | length 31.6
  Top Layer w0.152: R4.2 5.703,3.959 Q1.1 ; D2.A 28.314,12.446 29.083,13.215 Q2.2
  Bottom Layer w0.152: v2(5.969,2.921) 6.147,2.743 20.015,2.743 21.897,4.625 21.897,9.959 24.384,12.446 v2(25.908,12.446)
NetD4_K: D4.K D5.K Q2.1 R6.1 | length 4.8
  Top Layer w0.152: D4.K D5.K 28.101,10.922 28.079,10.9 R6.1
NetP4_2: P4.2 U4.2 | length 5.2
  Bottom Layer w0.152: P4.2 6.462,9.002 7.231,9.771 U4.2
NetP4_3: P4.3 U4.1 | length 4.3
  Bottom Layer w0.152: P4.3 6.35,9.652 6.731,10.033 U4.1
NetQ3_2: Q3.2 R12.1 | length 5.1
  Top Layer w0.152: Q3.2 16.796,4.286 17.145,3.937 19.431,3.937 19.812,4.318 R12.1
NetR1_2: R1.2 U1.5 | length 1.2
  Top Layer w0.152: R1.2 24.257,2.679 24.257,3.683 U1.5
NetR9_2: R9.2 U4.9 | length 1.6
  Bottom Layer w0.152: U4.9 7.239,6.876 R9.2
NetR10_2: R10.2 U4.8 | length 2.2
  Bottom Layer w0.152: U4.8 7.731,6.239 7.874,6.096 8.382,6.096 8.636,5.842 R10.2
OSC32_IN: C14.1 U3.3 Y1.1 | length 6.1
  Top Layer w0.152: C14.1 11.743,29.107 12.92,29.107 Y1.1 13.486,28.541 13.486,27.942 13.462,27.918 13.462,27.113 U3.3
OSC32_OUT: C15.1 U3.4 Y1.2 | length 6
  Top Layer w0.152: C15.1 11.152,28.262 11.152,27.339 Y1.2 11.718,26.773 12.317,26.773 12.331,26.787 13.081,26.787 U3.4
PWR_EN: D5.A U3.33 | length 11.3
  Top Layer w0.152: U3.33 21.717,18.151 21.717,11.684 22.606,10.795 D5.A@23.846,10.795
RST: C13.2 K1.2 R7.1 U3.7 | length 21.2
  Top Layer w0.152: U3.7 14.124,23.622 15.113,23.622 16.383,24.892 16.383,28.194 15.367,29.21 v1(15.367,32.766)
  Bottom Layer w0.152: R7.1@14.351,34.556 C13.2 ; v1(15.367,32.766) 15.367,34.429 C13.2 ; K1.2@17.018,33.474 K1.2@16.794,33.698 ; K1.2@20.896,33.698 K1.2@16.794,33.698 ; C13.2 15.638,34.556 16.496,33.698 16.696,33.698 K1.2@16.794,33.698
SCR_BLK: Q3.1 R15.2 U3.19 | length 15.9
  Top Layer w0.152: R15.2 13.704,6.338 13.904,6.538 Q3.1 14.246,6.338 Q3.1@14.234,6.35 ; v2(12.954,7.493) 12.954,6.348 R15.2@12.965,6.337 ; U3.19 13.028,18.009 13.028,17.883 14.605,16.306 v1(14.605,15.875)
  Bottom Layer w0.152: v2(12.954,7.493) 12.954,13.843 14.558,15.447 14.558,15.828 v1(14.605,15.875)
SCR_CS: U3.18 U8.8 | length 9.3
  Top Layer w0.152: U3.18 12.7,18.388 12.7,17.78 13.984,16.496 13.984,15.435 14.986,14.433 14.986,11.142 U8.8
SCR_DC: U3.14 U8.7 | length 18.3
  Top Layer w0.152: U3.14 11.486,20.002 11.486,19.725 10.922,19.162 10.922,17.026 11.214,16.734 11.214,9.564 11.939,8.839 15.316,8.839 15.779,9.302 U8.7
SCR_LEDK: R12.2 U8.2 | length 4.9
  Top Layer w0.152: U8.2 19.279,8.661 19.812,8.128 R12.2
SCR_RES: U3.16 U8.11 | length 9.7
  Top Layer w0.152: U3.16 11.684,18.786 11.684,17.78 12.979,16.485 U8.11
SCR_SCL: U3.15 U8.9 | length 15.8
  Top Layer w0.152: U3.15 11.303,19.112 11.303,17.604 11.684,17.223 11.684,9.525 12.065,9.144 14.224,9.144 14.379,9.299 U8.9
SCR_SDA: U3.17 U8.10 | length 9.4
  Top Layer w0.152: U3.17 12.065,18.46 12.065,17.83 13.679,16.216 U8.10
SD_CD: P3.9 U3.29 | length 5.2
  Top Layer w0.152: v1(16.637,19.558) 17.481,19.558 U3.29
  Bottom Layer w0.152: P3.9@16.383,17.018 16.383,19.304 v1(16.637,19.558)
SD_CS: P3.2 U3.25 | length 10.6
  Top Layer w0.152: U3.25 19.606,14.605 v1(19.645,14.605)
  Bottom Layer w0.152: P3.2 18.626,9.482 19.642,10.498 19.642,14.602 v1(19.645,14.605)
SD_MISO: P3.7 U3.27 | length 4.7
  Top Layer w0.152: v1(16.51,14.986) 16.453,15.043 16.453,17.85 16.714,18.111 17.514,18.111 U3.27
SD_MOSI: P3.3 U3.28 | length 9.6
  Top Layer w0.152: U3.28 19.177,17.155 v1(19.177,16.891)
  Bottom Layer w0.152: P3.3 18.456,10.582 19.152,11.278 19.152,16.866 v1(19.177,16.891)
SD_SCK: P3.5 U3.26 | length 6.4
  Top Layer w0.152: U3.26 v1(18.669,16.249) v1@18.669,16.148
  Bottom Layer w0.152: P3.5 17.989,12.782 18.669,13.462 v1(18.669,16.249)
SWCLK: P2.3 U3.37 | length 19.1
  Top Layer w0.152: v1(18.542,21.844) 20.399,21.844 U3.37
  Bottom Layer w0.152: P2.3 10.668,27.305 10.668,25.273 11.684,24.257 16.129,24.257 v1(18.542,21.844)
SWDIO: P2.2 U3.34 | length 25.1
  Top Layer w0.152: P2.2 5.969,28.194 5.588,28.575 5.588,31.623 6.096,32.131 8.053,32.131 ; v1@19.304,21.209 v1(19.335,21.209) 19.366,21.209 U3.34
  Bottom Layer w0.152: P2.2 8.636,26.797 8.636,25.146 9.525,24.257 10.736,24.257 11.498,23.495 15.494,23.495 17.78,21.209 v1(19.335,21.209)
USB_VCC: C3.2 D1.A D4.A P4.1 U1.4 | length 36.9
  Top Layer w0.254: D1.A C3.2@23.7,7.658 ; D4.A 23.846,7.804 C3.2@23.7,7.658 ; U1.4 24.134,5.71 23.738,6.106 C3.2 C3.2@23.7,7.658
  Bottom Layer w0.254: P4.1 5.364,8.352 5.588,8.128 5.588,6.985 4.318,5.715 4.318,3.175 5.207,2.286 21.458,2.286 23.114,3.942 v2@23.114,8.852
  other v2: 23.114,9.144 23.114,9.779
VBAT: C8.2 D6.K U3.1 | length 5.3
  Top Layer w0.152: D6.K@14.575,31.496 14.617,31.454 C8.2 C8.2@14.617,29.922 ; C8.2@14.605,29.783 14.605,27.384 U3.1
pads on no net: BZ1.0 P3.1 P3.8 P4.4 U2.4 U3.2 U3.5 U3.6 U3.20 U3.38 U3.45 U3.46 U4.4 U4.5 U4.6 U6.7 U6.8 U7.10 U7.11
copper on no net:
  other v5: 23.44,24.432 23.44,30.432

## Polygon pours and split planes (outlines as drawn)
GND on Bottom Layer "GND_L02_P000" (solid, remove dead copper, pour order 0): 0,2.032 0,35.052 cw(c1.778,35.052) 1.778,36.83 30.48,36.83 cw(c30.48,35.052) 32.258,35.052 32.258,2.032 cw(c30.226,2.032) 30.226,0 2.032,0 cw(c2.032,2.032)
GND on Top Layer "GND_L01_P001" (solid, remove dead copper, pour order 1): 0,2.032 0,35.052 cw(c1.778,35.052) 1.778,36.83 30.48,36.83 cw(c30.48,35.052) 32.258,35.052 32.258,2.032 cw(c30.226,2.032) 30.226,0 2.032,0 cw(c2.032,2.032)

## Keep-outs
Keep-Out Layer:
  the board outline again, w0.254

## Other copper
Top Layer:
  rectangle net BAT_IN: 4.572,12.827 5.08,13.843
  rectangle net 3V3: 7.874,20.066 8.509,20.574
Bottom Layer:
  rectangle net BAT_IN: 4.445,12.827 5.207,16.256
  rectangle net USB_VCC: 22.86,8.89 23.368,10.033
  rectangle net 3V3: 17.526,11.43 18.034,11.938
  pour cut-out: 5.338,9.002 5.364,8.352 5.588,6.985 5.842,5.08 5.842,4.953 9.271,4.953 9.253,7.865 7.112,7.874 6.462,9.002
  pour cut-out: 20.299,2.698 22.13,4.625 22.13,9.862 22.733,10.414 22.987,10.668 23.114,3.942 21.458,2.286 20.32,2.286
  pour cut-out: 13.589,20.32 13.716,20.955 16.256,22.606 16.715,21.668 15.34,20.32
  pour cut-out: 18.161,32.385 18.161,22.225 19.335,21.209 21.722,21.209 21.722,32.385

## Silkscreen, mask and mechanical layers (free items; w line width, h text height)
Top Overlay:
  text "GND" at 9.257,32.258 h1.3 r90
  text "CLK" at 9.257,29.718 h1.3 r90
  text "DIO" at 6.209,27.305 h1.3 r90
  text "3.3" at 6.209,25.019 h1.3 r90
Bottom Overlay:
  text "GND" at 9.003,35.306 h1.3 r90
  text "CLK" at 9.003,32.385 h1.3 r90
  text "DIO" at 9.003,29.591 h1.3 r90
  text "3.3" at 9.003,25.019 h1.3 r90
Mechanical 1:
  the board outline again, w0.254

## Text inside footprints (layer, text, board x,y; h text height)
P3: Bottom Overlay "1" at 18.821,8.484 h0.76 r90; Bottom Overlay "2" at 18.796,9.576 h0.76 r90; Bottom Overlay "3" at 18.796,10.643 h0.76 r90; Bottom Overlay "4" at 18.796,11.836 h0.76 r90; Bottom Overlay "5" at 18.771,12.903 h0.76 r90; Bottom Overlay "6" at 18.771,13.97 h0.76 r90; Bottom Overlay "7" at 18.771,15.037 h0.76 r90; Bottom Overlay "8" at 18.745,16.154 h0.76 r90; Bottom Overlay "Cd" at 18.186,17.501 h0.76 r180
U5: Bottom Overlay "G" at 3.556,22.098 h0.76 r90; Bottom Overlay "V" at 3.556,20.066 h0.76 r90; Bottom Overlay "T" at 3.556,18.034 h0.76 r90; Bottom Overlay "R" at 3.556,16.129 h0.76 r90
U8: Top Overlay "ZJY154T-PG04" at 11.303,2.159 h0.76